# Altium PCB RSD_M1_HELMET_UNIT_MCU_V2.PcbDoc (continued)
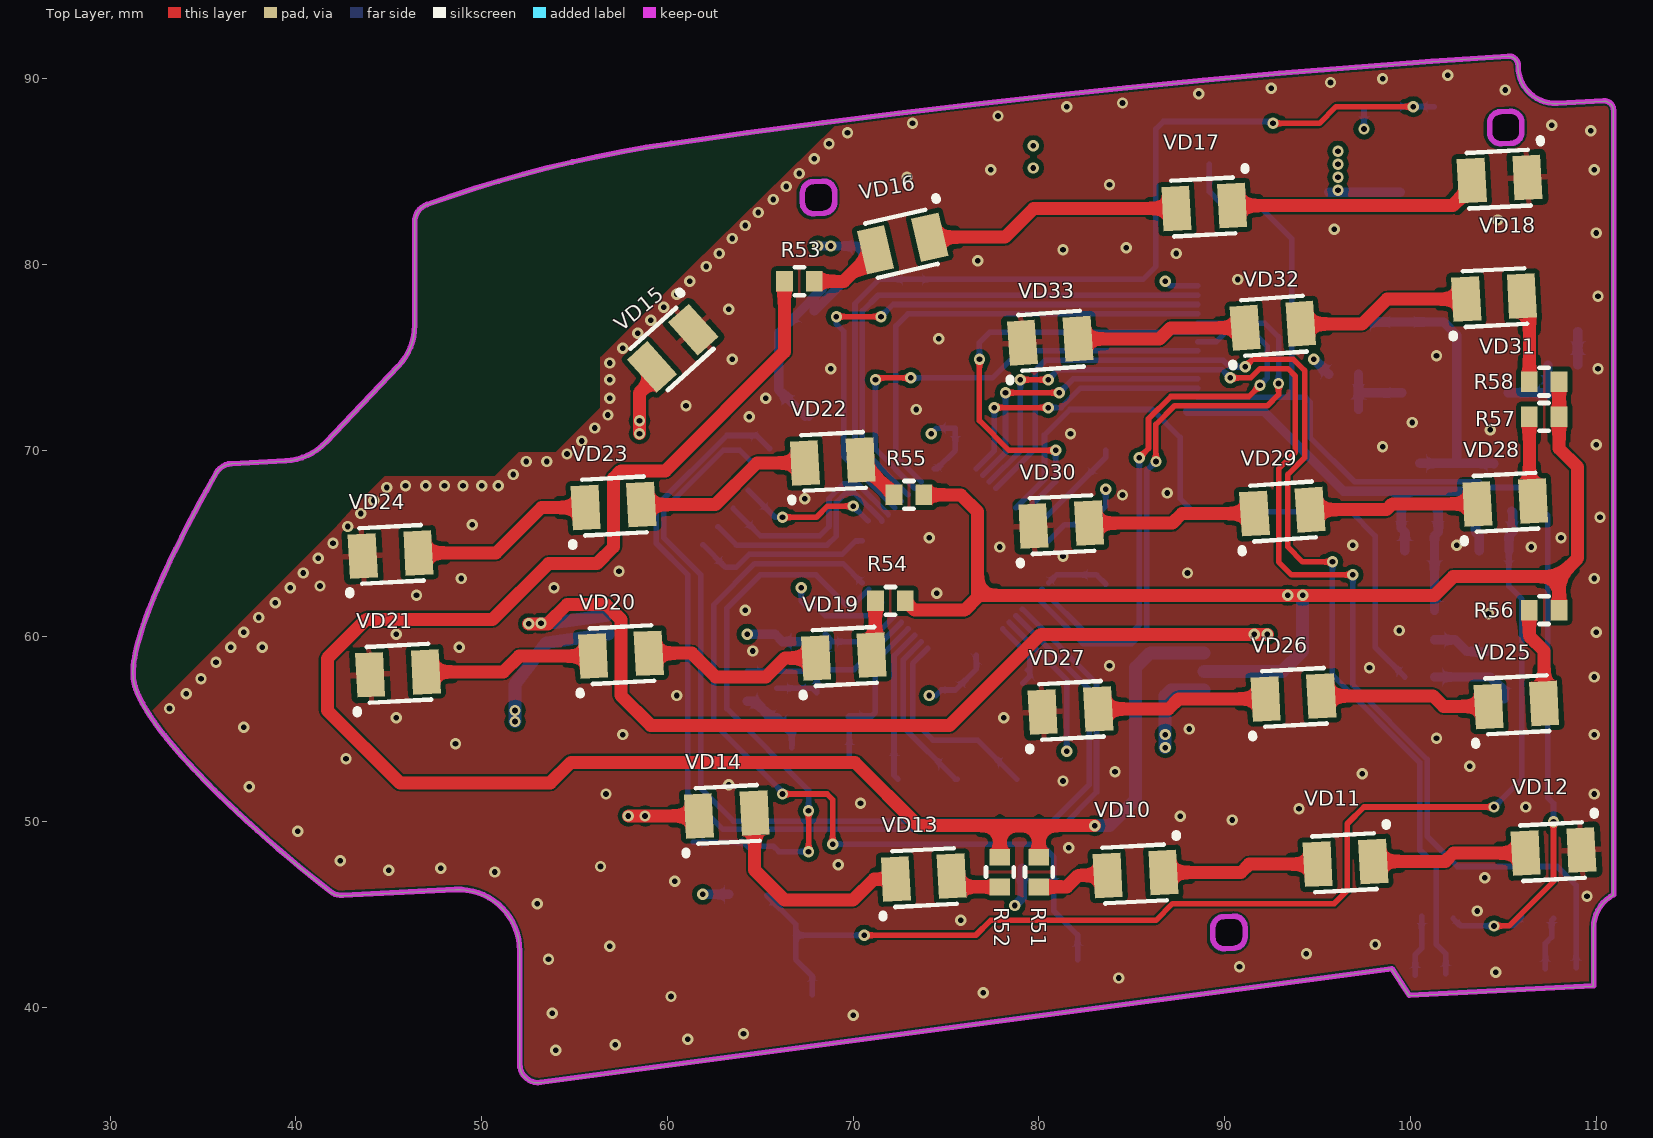
[diagram p0: Top Layer view]
## Footprints (in the part's own frame and the unit in brackets; to place one, negate y for a bottom-side part, rotate by r counter-clockwise, add the part's x,y. Pads: shape width x height; smd on the part's side, far side on the other; paste and mask are expansions set on the pad) (continued)
  silkscreen extent -4.47,-3.1 3.1,3.62, body extent -4.5,-4.5 4.5,4.5, height 1.6
tact_switch [mm]
  rect 1.5x1 smd: 0(-3.375,-0.5) 0(3.375,-0.5)
  rect 1x1.27 smd: 1(-2.125,1.5) 2(2.125,1.5)
  silkscreen extent -4.38,-1.25 4.38,2.5, body extent -3.9,-1.75 3.9,1.76, height 3.55
tantal_case_A [mm]
  rect 1.7x1.3 smd: 1(-1.524,0) 2(1.524,0)
  silkscreen extent -1.52,-0.89 1.52,0.89, body extent -1.6,-0.8 1.6,0.8, height 1.8
tantal_case_B [mm]
  rect 2x2.5 smd: 1(-1.75,0) 2(1.75,0)
  silkscreen extent -1.78,-1.52 1.78,1.52, body extent -1.75,-1.4 1.75,1.4, height 2.1

## Part data
C1 C8 C10: library part Capacitor_Polar
L1: PN=LQH3NPN220MMEL
X1: 1=цепь_1, 2=цепь_2, 3=цепь_3, 4=цепь_4, 5=цепь_5, 6=цепь_6, 7=цепь_7, 8=цепь_8, 9=цепь_9, 10=цепь_10, 11=цепь_11, 12=цепь_12, 13=цепь_13, 14=цепь_14, 15=цепь_15, 16=цепь_16
X8: 1="цепь 1", 2="цепь 2", 3="цепь 3", 4="цепь 4", 5="цепь 5"
X9: 1=GND, 2=ГАБАРИТ, 3=ПРАВЫЙ, 4=GND

## Free pads (board coordinates)
  rrect50% 2x2.5 smd far side: 2(72.4,52.3) 2(75.6,52.3) 2(78.8,52.3) 2(79.3,81.5) 2(79.7,85.9) 2(83.6,62.8) 2(83.6,70)

## Via types
v1: diameter 0.61, hole 0.305, Top Layer to Bottom Layer, tented both sides, 236 vias
v2: diameter 0.61, hole 0.305, Top Layer to Bottom Layer, 2 vias

## Nets (pads, with @x,y where several pads share a name; then routed paths per layer and width w, separated by ;. In a path a pad name is that pad's centre, name@x,y a point inside that pad or via, vN(x,y) a via of type N, cw(c..) or ccw(c..) an arc to the next point about the centre after c; other vN are vias at no path point)
3.3V: C1.1 C4.2 C5.2 C6.2 C7.2 C10.1 C25.2 DD1.9 DD1.24 DD1.36 DD1.48 L1.2 NRF1.1 pad.2@79.7,85.9 R1.2 R4.1 R8.2 R10.1 VD1.2 VT1.2 | length 48
  Bottom Layer w0.3: v1(67.2,62.6) 67.2,61.9 67.5,61.6 68,61.6 68.5,61.1 70.832,61.1 DD1.9 ; NRF1.1@67.623,71.733 NRF1.1@67.8,71.909 ; C1.1 C1.1@67.741,78.141 ; v1(74.1,56.8) 74.452,56.8 74.752,57.1 C4.2 76.631,58.231 DD1.48 ; v1(74.2,70.9) 74.5,71.2 C7.2 75.5,70 74.52,69.02 DD1.24 ; DD1.36 81.389,66 C5.2 83.6,67 v1(83.6,67.9) ; v1(97.5,87.3) R8.2@97.5,88.5
  Bottom Layer w0.5: v1(61.9,46.1) VT1.2@63.3,46.1 ; v1(64.3,60.1) 65.8,60.1 66.2,59.7 R1.2 ; NRF1.1 66,73.256 66,76.335 C1.1 ; C1.1@67.741,78.141 C1.1@67.9,78.3 ; v1(68.1,81) v1(68.8,81) 70.2,81 70.4,80.8 C25.2 ; C25.2@70.5,80.6 70.5,80.1 67.9,77.5 C1.1@67.9,78.235 ; v1(78.7,45.5) 79.1,45.9 R4.1 ; v1(94.8,74.9) R10.1 ; 95.6,83.9 C10.1 ; C1.1@67.9,78.235 C1.1@67.9,78.3 ; C1.1@67.9,78.235 68.333,78.667 68.3,78.7 C1.1@67.9,78.3
  other v1: 96.1,84 96.1,84.7 96.1,85.4 96.1,86.1
  other v2: 79.7,85.2 79.7,86.4
12V: 
BAT: R5.2 R7.2 VT2.2 VT3.2 X1.15 X1.16 | length 23.8
  Bottom Layer w0.5: 88,72.1 92.1,72.1 96.4,67.8 99.55,67.8 ; R7.2 99.7,65.6 99.5,65.8 99.5,66.7 VT3.2 99.55,67.8 ; R5.2 103.7,65.4 103.5,65.6 103.5,67.6 103.3,67.8 99.55,67.8
BAT-CHECK: DD1.20 X1.3 | length 29.3
  Bottom Layer w0.3: DD1.20 70.5,70.061 70.5,77.5 71.35,78.35 X1.3
BAT-LVL: DD1.18 X1.4 | length 31.3
  Top Layer w0.3: v1(69.1,77.2) v1(71.5,77.2)
  Bottom Layer w0.3: v1(69.1,77.2) 69.1,76.8 69.5,76.4 69.5,69.646 DD1.18 ; v1(71.5,77.2) 72.15,77.85 X1.4
BAT_CHECK: 
BAT_LVL: 
CE: DD1.41 NRF1.3 | length 59.3
  Bottom Layer w0.3: NRF1.3@65.5,70.1 64.8,70.8 63.2,70.8 59.4,67 59.4,65 61.1,63.3 61.1,51.5 63,49.6 81.1,49.6 83.1,51.6 83.1,57.461 DD1.41
CONECT_BTN_PIN: DD1.12 R4.2 SW2.2 | length 44.5
  Top Layer w0.3: v1(66.2,51.5) 68.6,51.5 68.9,51.2 v1(68.9,48.8)
  Bottom Layer w0.3: v1(66.2,51.5) 66.2,51.6 62.5,55.3 62.5,61.7 64.7,63.9 69.448,63.9 DD1.12 ; v1(68.9,48.8) 80.1,48.8 80.8,48.1 80.8,45.2 82.087,43.913 SW2.2 SW2.2@82.087,42.59
CSN: DD1.42 NRF1.4 | length 55.4
  Bottom Layer w0.3: NRF1.4@64.6,69.3 63.9,70 63,70 59.8,66.8 59.8,65.3 61.8,63.3 61.8,51.8 63.555,50.045 80.745,50.045 82.7,52 82.7,57.154 DD1.42
EN-12V: DD1.32 X1.7 | length 25.2
  Top Layer w0.3: v1(76.8,74.9) 76.8,71.6 78.4,70 v1(80.9,70)
  Bottom Layer w0.3: v1(76.8,74.9) 76.8,75.8 77.35,76.35 X1.7 ; DD1.32 80.88,68.32 80.9,68.3 v1(80.9,70)
EN_3.3V_MCU: DD1.31 R9.2 | length 36
  Bottom Layer w0.3: DD1.31 80.3,68.446 80.3,70.834 81.666,72.2 86.1,72.2 87.6,70.7 87.6,67.4 88.3,66.7 96.8,66.7 98.1,65.4 98.1,59.4 R9.2
EN_12V: 
GABARIT: R51.2 R52.2 R53.2 X8.3 | length 102.3
  Top Layer w0.7: R53.2 66.3,75.3 59.9,68.9 57.5,68.9 57.1,68.5 57.1,64.8 56.2,63.9 53.6,63.9 50.6,60.9 43.8,60.9 41.7,58.8 41.7,56 45.6,52.1 53.7,52.1 54.8,53.2 70.1,53.2 73.5,49.8 77.9,49.8 ; R52.2 77.9,49.8 ; R51.2 80,49.8 ; v1(83,49.8) 80,49.8 ; 77.9,49.8 80,49.8
  Bottom Layer w0.7: v1(83,49.8) 83.8,49.8 85.2,51.2 85.2,58.3 86,59.1 X8.3
GABARIT-MCU: DD1.39 X1.6 | length 33.6
  Top Layer w0.3: v1(86.3,69.4) 86.3,71.4 87.3,72.4 92.3,72.4 92.9,73 v1(92.9,73.6)
  Bottom Layer w0.3: DD1.39 82.375,59.6 85,59.6 85.8,60.4 85.8,68.9 v1(86.3,69.4) ; X1.6 92.15,76.85 92.9,76.1 v1(92.9,73.6)
GABARIT_2: X8.5 X9.2 | length 54.4
  PWR w0.7: v1(51.8,56) v1(51.8,55.4) 51.8,54.3 52.5,53.6 78.5,53.6 81,51.1 86,51.1 86.8,51.9 v1(86.8,54) v1(86.8,54.7)
  Bottom Layer w0.7: v1@51.788,55.412 51.788,57.384 53.482,59.643 X9.2 ; v1(86.8,54) v1(86.8,54.7) 86.8,56.8 87.1,57.1 X8.5
GABARIT_2_MCU: DD1.43 X1.2 | length 38.6
  PWR w0.3: v1(81.5,53.8) 82.7,55 82.7,76.7 85.1,79.1 v1(86.8,79.1)
  Bottom Layer w0.3: DD1.43 81.5,57.646 v1(81.5,53.8) ; v1(86.8,79.1) 87.05,78.85 X1.2
GABARIT_2_MCU: 
GABARIT_MCU: 
GND: C1.2 C2.1 C3.1 C4.1 C5.1 C6.1 C7.1 C8.2 C10.2 C11.1 C12.1 C25.1 C26.1 DA1.3 DA1.7 DD1.8 DD1.23 DD1.35 DD1.47 NRF1.2 pad.2@79.3,81.5 R2.2 R3.2 R11.2 R12.2 SW1.0 SW1.1 SW2.0 SW2.1 VD2.2 VD12.1 VD15.1 VD18.1 VD21.1 VD24.1 VD27.1 VD30.1 VD33.1 VT4.2 VT5.2 X1.0 X1.1 X8.0 X8.1 X9.0 X9.1 X9.4 | length 3.9
  Bottom Layer w0.3: 66.7,54 66.7,54.8
  Bottom Layer w0.5: C26.1 64.7,56.5 65.6,55.6 C3.1 66.7,54.8
  other v1: 54,37.7 57.2,38 61.1,38.3 64.1,38.6 70,39.6 53.8,39.7 60.2,40.6 77,40.8 84.3,41.6 104.6,41.9 90.8,42.2 53.6,42.6 94.4,42.9 56.9,43.3 98.1,43.4 75.8,44.7 103.6,45.2 53,45.6 109.5,46 60.4,46.8 104,47 50.7,47.3 45,47.4 47.8,47.5 56.4,47.6 69.2,47.7 42.4,47.9 81.6,48.6 40.1,49.5 90.4,50.1 87.6,50.3 94,50.7 106.2,50.8 70.4,51 56.7,51.5 109.9,51.5 37.5,51.9 63.3,52 81.3,52.2 97.4,52.6 84.1,52.7 103.2,53 42.7,53.4 48.6,54.2 101.4,54.5 57.6,54.7 109.9,54.7 88.1,55 37.2,55.1 45.4,55.6 78.1,55.6 33.2,56.1 60.5,56.8 34.1,56.9 34.9,57.7 109.9,57.8 97.8,58.3 83.8,58.4 35.7,58.6 64.6,59.2 36.5,59.4 38.2,59.4 48.8,59.4 45.4,60.1 37.2,60.2 110,60.2 99.4,60.3 38,61 104.2,61.2 64.2,61.4 38.9,61.8 46.5,62.2 74.5,62.3 39.7,62.6 53.9,62.6 41.3,62.7 48.9,63.1 109.9,63.1 40.4,63.4 88,63.4 57.4,63.5 41.2,64.2 81.3,64.3 77.9,64.8 106.5,64.8 96.9,64.9 102.5,64.9 42,65 74.1,65.3 108.1,65.3 42.8,65.9 49.5,66 110.2,66.4 43.5,66.6 44.2,67.3 67.4,67.4 84.5,67.6 86.9,67.7 44.9,68 45.9,68.1 47,68.1 48,68.1 49,68.1 50,68.1 50.9,68.1 51.7,68.7 52.4,69.4 53.5,69.4 54.6,69.8 98.5,70.2 110,70.3 55.4,70.5 81.7,70.9 104.3,71.1 56.1,71.2 100.1,71.5 64.4,71.8 56.8,71.9 73.4,72.2 61,72.4 56.9,72.8 65.3,72.8 56.9,73.8 68.8,74.4 110.1,74.4 56.9,74.7 63.5,74.9 101.4,75.1 57.6,75.5 74.6,76 58.4,76.3 59.1,77 63.3,77.6 59.8,77.7 110.1,78.3 60.5,78.4 61.2,79.1 90.7,79.2 62.1,79.9 76.7,80.2 62.8,80.6 87.4,80.6 81.3,80.8 84.7,80.9 63.5,81.4 110,81.7 95.9,81.9 64.2,82.1 104.7,82.4 64.9,82.8 65.7,83.5 66.4,84.2 83.8,84.3 72.9,84.7 67.1,84.9 77.4,85.1 109.9,85.1 67.9,85.7 68.7,86.5 69.7,87.1 109.7,87.2 107.6,87.5 73.2,87.6 77.8,88 81.5,88.5 84.5,88.7 88.6,89.2 105.1,89.4 92.5,89.5 95.7,89.8 98.5,90 102,90.2
IRQ: DD1.13 NRF1.8 | length 9.7
  Bottom Layer w0.3: NRF1.8@61.909,64.922 63.131,63.7 63.7,63.7 64.4,64.4 69.4,64.4 70.131,65.131 DD1.13
LED1: 
LED2: 
LED3: 
LED4: 
LED_1: DD1.28 VD5.1 X1.10 | length 59.8
  Top Layer w0.3: v1(91.1,74.5) 91.5,74.9 93.7,74.9 94.3,74.3 94.3,69.6 93.4,68.7 93.4,64.8 94.2,64 v1(95.8,64)
  Bottom Layer w0.3: DD1.28 79.8,70.068 79.8,74.3 80.35,74.85 X1.10 89.916,74.85 90.266,74.5 v1(91.1,74.5) ; v1(95.8,64) 95.8,57.9 100.5,53.2 100.5,48.5 101.4,47.6 101.4,43.4 101.907,42.893 VD5.1
LED_2: DD1.27 VD6.1 X1.11 | length 65.7
  Top Layer w0.3: v1(79,73.8) v1(80.5,73.8) ; v1(90.3,73.9) 91.4,73.9 91.9,74.4 93.4,74.4 93.8,74 93.8,69.9 92.9,69 92.9,64 93.6,63.3 v1(96.9,63.3)
  Bottom Layer w0.3: DD1.27 79,69.975 v1(79,73.8) ; v1(80.5,73.8) 81.05,74.35 X1.11 89.85,74.35 v1(90.3,73.9) ; v1(96.9,63.3) 96.9,57.366 100.9,53.366 100.9,49.226 102.526,47.6 107.9,47.6 108.914,46.586 VD6.1
LED_3: DD1.26 X1.12 | length 15.6
  Top Layer w0.3: v1(78.2,73.1) v1@81.1,73.1
  Bottom Layer w0.3: DD1.26 78.2,69.882 v1(78.2,73.1) ; v1(81.1,73.1) 81.85,73.85 X1.12
LED_4: DD1.25 X1.13 | length 15.1
  Top Layer w0.3: v1(77.6,72.3) v1(80.5,72.3)
  Bottom Layer w0.3: DD1.25 77.6,69.989 v1(77.6,72.3) ; v1(80.5,72.3) 81.2,72.3 82.25,73.35 X1.13
LED_POWER: R26.2 R27.2 VD1.1 X1.14 | length 66.2
  Top Layer w0.3: v1(104.5,44.4) 105.3,44.4 107.7,46.8 v1(107.7,50)
  Bottom Layer w0.3: X1.14 93.6,72.85 ; VD1.1 89.175,83.925 89.7,83.4 91.6,83.4 93.6,81.4 93.6,72.85 ; R26.2@102.3,44.8 102.7,44.4 v1(104.5,44.4) 105.5,44.4 R27.2@106,44.9 ; v1(107.7,50) 107.7,51 107.4,51.3 107.4,66.5 105.9,68 104,68 103.7,68.3 97,68.3 94.6,70.7 94.6,72.6 94.35,72.85 93.6,72.85
LEFT: 
LEFT-MCU: DD1.21 X1.9 | length 24.7
  Top Layer w0.3: v1(71.2,73.8) 71.3,73.9 v1(73.1,73.9)
  Bottom Layer w0.3: v1(71.2,73.8) 71.2,70.068 DD1.21 ; v1(73.1,73.9) 77.5,73.9 78.95,75.35 X1.9
LEFT_MCU: 
MID_BAT: 
MISO: DD1.16 NRF1.7 | length 12.1
  Bottom Layer w0.3: NRF1.7@62.725,65.895 63.721,64.9 68.6,64.9 69.1,65.4 69.1,67.2 69.6,67.7 70.085,67.7 71.54,66.244 DD1.16
MOSI: DD1.17 NRF1.6 | length 11.7
  Bottom Layer w0.3: NRF1.6@63.542,66.868 65.01,65.4 68.2,65.4 68.7,65.9 68.7,67.4 69.5,68.2 70.239,68.2 DD1.17
NetC2_2: C2.2 DD1.5 ZQ1.2 | length 8.8
  Bottom Layer w0.3: C2.2 69.8,55.6 ZQ1.2 69.8,55.7 71,55.7 71.2,55.9 71.2,58.639 DD1.5
NetC3_2: C3.2 DD1.6 ZQ1.1 | length 9
  Bottom Layer w0.3: C3.2 67.8,57.2 ZQ1.1 68.05,57.95 68.3,58.2 70.054,58.2 DD1.6
NetC8_1: C8.1 DA1.8 VT2.3 VT3.3 | length 16.5
  Bottom Layer w0.5: C8.1 97.205,76.905 DA1.8 101.795,76.905 102.5,76.2 102.5,69.4 102.4,69.3 ; VT3.3 102.4,69.3 ; VT2.3 104.475,69.3 102.4,69.3
NetC9_1: C9.1 R11.1 | length 1.8
  Bottom Layer w0.5: C9.1 R11.1
NetC9_2: C9.2 C12.2 DA1.4 | length 3.8
  Bottom Layer w0.5: DA1.4 107.305,73.095 C12.2 C9.2
NetC13_1: 
NetC13_2: 
NetC18_2: 
NetC19_2: 
NetC20_2: 
NetC22_1: 
NetC22_2: 
NetC23_1: 
NetC24_2: 
NetC26_2: C26.2 DD1.7 R1.1 | length 9.7
  Bottom Layer w0.3: C26.2 67.4,58.1 68.7,59.4 R1.1 ; R1.1@68.5,60.1 68.9,59.7 70.846,59.7 DD1.7
NetDA1_1: DA1.1 L1.1 VD2.1
NetDA1_5: DA1.5 R10.2 R12.1 | length 4.3
  Bottom Layer w0.5: R12.1 97.2,73.2 ; R10.2 97.2,73.2 ; DA1.5 97.305,73.095 97.2,73.2
NetDA2_2: 
NetDA2_12: 
NetDA2_18: 
NetDA2_19: 
NetDA2_20: 
NetDA2_21: 
NetDA2_23: 
NetDA2_24: 
NetDA3_2: 
NetDA3_3: 
NetDA3_6: 
NetDD1_44: DD1.44 R2.1 | length 3.7
  Bottom Layer w0.3: DD1.44 79.5,58.939 79.5,57.831 R2.1
NetR6_1: R6.1 VT4.3 | length 3.1
  Bottom Layer w0.5: R6.1 102.4,59.8 103.025,59.175 VT4.3
NetR6_2: R6.2 R7.1 VT3.1 | length 5.5
  Bottom Layer w0.5: R6.2 R7.1 101.3,65.4 101.5,65.6 101.5,66.7 VT3.1
NetR9_1: R9.1 VT4.1 | length 4.5
  Bottom Layer w0.5: R9.1 104.3,57.8 105.05,57.05 VT4.1
NetR13_1: 
NetR13_2: 
NetR15_1: 
NetR17_1: 
NetR23_1: 
NetR23_2: 
NetR26_1: R26.1 VD5.2 | length 3.3
  Bottom Layer w0.3: VD5.2 100.259,42.859 100.6,43.2 R26.1@100.6,44.925
NetR27_1: R27.1 VD6.2 | length 2.9
  Bottom Layer w0.3: VD6.2 107.265,43.465 107.6,43.8 107.6,44.7 R27.1@107.7,44.8
NetR28_1: 
NetR29_1: 
NetR30_1: 
NetR33_1: 
NetR33_2: 
NetR35_1: 
NetR36_1: 
NetR36_2: 
NetR38_1: 
NetR39_1: 
NetR40_1: 
NetR41_1: 
NetR44_1: 
NetR44_2: 
NetR46_2: 
NetR47_1: 
NetR51_1: R51.1 VD10.2 | length 4
  Top Layer w0.7: R51.1 81.5,46.5 82.121,47.121 VD10.2
NetR52_1: R52.1 VD13.2 | length 2.8
  Top Layer w0.7: VD13.2 75.876,46.5 R52.1
NetR53_1: R53.1 VD16.2 | length 4
  Top Layer w0.7: R53.1 69.5,79.1 VD16.2
NetR54_1: R54.1 VD19.2 | length 2.2
  Top Layer w0.3: VD19.2@70.998,59.8 VD19.2@71.2,60.002
  Top Layer w0.7: VD19.2@71.2,60.002 R54.1
NetR55_1: R55.1 VD22.2 | length 2.7
  Top Layer w0.3: VD22.2@70.398,69.402 VD22.2
  Top Layer w0.7: VD22.2@70.398,69.402 R55.1 ; VD22.2 VD22.2@70.476,69.4
NetR56_1: R56.1 VD25.2 | length 5.4
  Top Layer w0.7: R56.1 106.4,60 107.198,59.202 VD25.2
NetR57_1: R57.1 VD28.2 | length 4.6
  Top Layer w0.7: R57.1 106.4,67.476 VD28.2
NetR58_1: R58.1 VD31.2 | length 4.8
  Top Layer w0.7: VD31.2 106.4,77.9 R58.1
NetR59_1: 
NetR60_1: 
NetR61_1: 
NetR62_1: 
NetR63_1: 
NetR64_1: 
NetR65_1: 
NetR66_1: 
NetR67_1: 
NetR67_2: 
NetR69_1: 
NetVD10_1: VD10.1 VD11.2 | length 8.5
  Top Layer w0.7: VD10.1 90.879,47.279 91.321,47.721 VD11.2
NetVD11_1: VD11.1 VD12.2 | length 8.4
  Top Layer w0.7: VD11.1 101.879,47.879 102.321,48.321 VD12.2
NetVD13_1: VD13.1 VD14.2 | length 11.8
  Top Layer w0.7: VD14.2 64.698,47.402 66.3,45.8 70,45.8 71.121,46.921 VD13.1
NetVD14_1: VD14.1 VD15.2 | length 39.6
  Top Layer w0.7: v1(57.9,50.321) v1(58.8,50.321) VD14.1 ; v1(58.5,70.9) v1(58.5,71.6) 58.5,73.1 59.17,73.77 VD15.2
  PWR w0.7: v1(58.5,71.6) v1(58.5,70.9) 58.5,68.7 50.2,60.4 50.2,52.7 52.579,50.321 v1(57.9,50.321) v1(58.8,50.321)
NetVD16_1: VD16.1 VD17.2 | length 13.9
  Top Layer w0.7: VD16.1 78.175,81.475 79.721,83.021 VD17.2
NetVD17_1: VD17.1 VD18.2 | length 13.6
  Top Layer w0.7: VD17.1 102.279,83.179 103.302,84.202 VD18.2
NetVD19_1: VD19.1 VD20.2 | length 10
  Top Layer w0.7: VD20.2 61.321,59.079 62.6,57.8 65.3,57.8 66.321,58.821 VD19.1
NetVD20_1: VD20.1 VD21.2 | length 9.4
  Top Layer w0.7: VD21.2 51.179,58.079 52.021,58.921 VD20.1
NetVD22_1: VD22.1 VD23.2 | length 9.7
  Top Layer w0.7: VD23.2 62.579,67.079 64.821,69.321 VD22.1
NetVD23_1: VD23.1 VD24.2 | length 10
  Top Layer w0.7: VD24.2 50.779,64.479 53.221,66.921 VD23.1
NetVD25_1: VD25.1 VD26.2 | length 9.2
  Top Layer w0.7: VD26.2 101.221,56.779 101.779,56.221 VD25.1
NetVD26_1: VD26.1 VD27.2 | length 9.2
  Top Layer w0.7: VD27.2 86.979,56.079 87.521,56.621 VD26.1
NetVD28_1: VD28.1 VD29.2 | length 9.1
  Top Layer w0.7: VD29.2 98.709,66.809 99.021,67.121 VD28.1
NetVD29_1: VD29.1 VD30.2 | length 9.1
  Top Layer w0.7: VD30.2 87.179,66.079 87.7,66.6 VD29.1
NetVD31_1: VD31.1 VD32.2 | length 9.5
  Top Layer w0.7: VD32.2 97.405,76.805 98.743,78.143 VD31.1
NetVD32_1: VD32.1 VD33.2 | length 9.3
  Top Layer w0.7: VD33.2 86.5,76 87.095,76.595 VD32.1
NetVD34_1: 
NetVD35_1: 
NetVD37_1: 
NetVD38_1: 
NetVD40_1: 
NetVD41_1: 
NetVD43_1: 
NetVD44_1: 
NetVD46_1: 
NetVD47_1: 
NetVD49_1: 
NetVD50_1: 
NetVD52_1: 
NetVD53_1: 
NetVD55_1: 
NetVD56_1: 
ON_BTN: R5.1 SW1.2 VT1.1 VT2.1 | length 65.9
  Top Layer w0.3: v1(70.6,43.9) 76.6,43.9 77.4,44.7 86.3,44.7 87.2,45.6 95.9,45.6 96.6,46.3 96.6,49.9 97.5,50.8 v1(104.5,50.8)
  Bottom Layer w0.3: VT1.1 66.9,44.5 66.9,43.9 ; SW1.2@67.8,40.7 67.8,41.7 66.9,42.6 66.9,43.9 ; v1(70.6,43.9) 66.9,43.9 ; v1(104.5,50.8) 106,52.3 106,62 105.3,62.7 R5.1
  Bottom Layer w0.5: R5.1 105.3,65.4 105.5,65.6 105.5,66.675 VT2.1
ON_BTN_PIN: DD1.11 R3.1 VT1.3 | length 30.8
  Top Layer w0.3: v1(67.6,48.4) v1(67.6,50.6)
  Bottom Layer w0.3: R3.1 64.1,48.9 VT1.3 ; VT1.3@64.4,48.7 65.7,48.7 66,48.4 v1(67.6,48.4) ; v1(67.6,50.6) 67.6,51.7 63.2,56.1 63.2,61.5 65,63.3 68,63.3 69.6,61.7 70.018,61.7 DD1.11
PHOTODIOD: C11.2 DD1.19 R8.1 VT5.1 | length 52.8
  Top Layer w0.3: v1(92.6,87.6) 95.1,87.6 96,88.5 v1(100.145,88.5)
  Bottom Layer w0.3: DD1.19 70.1,69.754 70.1,77.9 71.4,79.2 85.6,79.2 86.3,79.9 86.3,87.3 86.7,87.7 92.5,87.7 v1(92.6,87.6) ; R8.1@99,88.5 v1(100.145,88.5) VT5.1
RGB_LED_BLUE: DD1.4 pad.2@72.4,52.3 | length 8.3
  Bottom Layer w0.3: pad.2@72.4,52.3 72.2,52.5 72.2,58.932 DD1.4
RGB_LED_GREEN: DD1.3 pad.2@75.6,52.3 | length 9
  Bottom Layer w0.3: DD1.3 72.7,58.725 72.7,55.1 75.5,52.3 pad.2@75.6,52.3
RGB_LED_RED: DD1.2 pad.2@78.8,52.3 | length 11.1
  Bottom Layer w0.3: DD1.2 73.2,58.518 73.2,55.5 74.3,54.4 76.7,54.4 pad.2@78.8,52.3
RIGHT: 
RIGHT: X8.2 X9.3 | length 54.9
  Top Layer w0.7: v1(52.535,60.665) 53.565,60.665 54.6,61.7 56.7,61.7 57.5,60.9 57.5,56.8 59.1,55.2 75.2,55.2 80.1,60.1 v1(92.3,60.1)
  Bottom Layer w0.7: v1(52.535,60.665) v1(53.2,60.692) 53.981,60.724 X9.3 ; X8.2 v1(92.3,60.1)
  other v1: 91.6,60.1
RIGHT-MCU: DD1.22 X1.5 | length 25.5
  Bottom Layer w0.3: DD1.22 72.3,69.675 72.3,76.7 72.95,77.35 X1.5
RIGHT_MCU: 
SCK: DD1.15 NRF1.5 | length 7.6
  Top Layer w0.3: v1(66.2,66.4) 68.025,66.4 68.625,67 v1(70,67)
  Bottom Layer w0.3: NRF1.5@64.358,67.841 65.799,66.4 v1(66.2,66.4) ; v1(70,67) DD1.15@70.8,66.2
STOP: R54.2 R55.2 R56.2 R57.2 R58.2 X8.4 | length 66.7
  Top Layer w0.7: R54.2 73.3,61.4 76,61.4 76.75,62.15 76.7,62.2 ; R55.2 75.8,67.6 76.7,66.7 76.7,62.2 ; R56.2 108,63.2 ; R58.2 R57.2 108,70.1 109,69.1 109,64.2 108,63.2 ; 76.7,62.2 v1(93.4,62.2) v1(94.2,62.2) 101.3,62.2 102.3,63.2 108,63.2
  Bottom Layer w0.7: X8.4 93.1,58.1 94.2,59.2 v1(94.2,62.2) v1(93.4,62.2)
STOP-MCU: DD1.38 X1.8 | length 31.2
  Top Layer w0.3: v1(85.4,69.6) 85.9,70.1 85.9,71.7 87.1,72.9 91.3,72.9 v1(91.9,73.5)
  Bottom Layer w0.3: DD1.38 82.682,60 84.8,60 85.4,60.6 v1(85.4,69.6) ; X1.8 89.55,75.85 90.1,76.4 91.5,76.4 92.3,75.6 92.3,73.9 v1(91.9,73.5)
STOP_MCU: 
SWCLK: DD1.37 pad.2@83.6,62.8 | length 3.5
  Bottom Layer w0.3: DD1.37 80.952,63.3 83.1,63.3 pad.2@83.6,62.8
SWDIO: DD1.34 pad.2@83.6,70 | length 5.7
  Bottom Layer w0.3: DD1.34 83.6,69.625 pad.2@83.6,70
USB_POWER: 
pads on no net: DA1.2 DA1.6 DD1.1 DD1.10 DD1.14 DD1.29 DD1.30 DD1.33 DD1.40 DD1.45 DD1.46 ZQ1.3 ZQ1.4

## Polygon pours and split planes (outlines as drawn)
GND on Top Layer "Top Layer, Top-No Net" (solid, pour order 10): 31.907,56.089 31.783,56.307 31.672,56.518 31.575,56.719 31.494,56.91 31.431,57.075 31.381,57.232 31.341,57.382 31.312,57.53 31.297,57.638 31.286,57.748 31.28,57.861 31.278,57.978 31.283,58.16 31.298,58.354 31.323,58.563 31.356,58.772 31.398,58.993 31.448,59.224 31.507,59.463 31.551,59.632 31.6,59.803 31.654,59.988 31.712,60.175 31.834,60.544 31.96,60.901 32.094,61.261 32.236,61.625 32.384,61.99 32.567,62.425 32.757,62.862 32.954,63.301 33.098,63.614 33.245,63.926 33.41,64.273 33.578,64.62 33.904,65.278 34.238,65.933 34.579,66.585 34.884,67.156 35.195,67.723 35.51,68.287 35.754,68.715 cw(c36.621,68.217) 36.57,69.216 39.494,69.367 ccw(c39.329,72.563) 41.645,70.355 45.554,74.456 ccw(c43.238,76.664) 46.438,76.664 46.438,82.221 cw(c47.438,82.221) 47.1,83.162 cw(c69.956,19.559) 60.247,86.443 60.248,86.442 cw(c142.152,-479.591) 105.299,91.149 105.299,91.148 cw(c105.331,90.649) 105.831,90.649 105.831,90.606 ccw(c107.831,90.606) 107.935,88.609 110.443,88.738 cw(c110.469,88.239) 110.969,88.239 110.969,46.005 ccw(c111.895,44.232) 109.895,44.232 109.895,41.101 99.974,40.588 99.04,42.028 53.222,35.901 cw(c53.09,36.892) 52.09,36.892 52.09,42.99 ccw(c48.79,42.99) 48.619,46.286 42.561,45.973 42.561,45.972 cw(c42.51,46.971) 41.889,46.187 41.339,46.622 40.765,47.081 40.197,47.545 39.635,48.014 39.076,48.49 38.522,48.973 37.941,49.489 37.365,50.013 36.794,50.544 36.501,50.821 36.211,51.099 35.94,51.362 35.671,51.627 35.214,52.084 34.766,52.545 34.544,52.778 34.325,53.013 34.111,53.245 33.9,53.479 33.573,53.85 33.413,54.037 33.256,54.224 33.102,54.412 32.951,54.599 32.804,54.787 32.662,54.974 32.44,55.276 32.334,55.427 32.232,55.576 32.136,55.721 32.045,55.864
3.3V on Top Layer "Top Layer, Top-No Net" (none, pour order 6): 164.796,76.421 ccw(c164.865,76.493) 164.796,76.42 ccw(c164.867,76.491) 164.796,76.42 ccw(c164.866,76.492) 164.797,76.419 cw(c164.865,76.493) 164.796,76.42 cw(c164.867,76.491)
3.3V on Top Layer "Top Layer, Top-No Net" (none, pour order 4): 164.796,76.421 ccw(c164.865,76.493) 164.796,76.42 ccw(c164.867,76.491) 164.796,76.42 ccw(c164.866,76.492) 164.797,76.419 cw(c164.865,76.493) 164.796,76.42 cw(c164.867,76.491)
3.3V on Keep-Out Layer "Top Layer, Top-No Net" (none): 164.796,76.421 ccw(c164.865,76.493) 164.796,76.42 ccw(c164.867,76.491) 164.796,76.42 ccw(c164.866,76.492) 164.797,76.419 cw(c164.865,76.493) 164.796,76.42 cw(c164.867,76.491)
3.3V on Bottom Layer "Top Layer, Top-No Net" (solid, pour order 14): 100.6,79 100.6,85.7 99.8,86.5 91.5,86.5 91.2,86.2 91.2,84.5 92.1,83.6 97.3,83.6 98.6,82.3 98.6,79.4 99,79
NetDA1_1 on Bottom Layer "Top Layer, Top-No Net" (solid, pour order 12): 106.137,76.9 107.8,78.8 107.8,81.2 107.3,81.7 102.2,81.7 101.9,81.4 101.9,78.8 103.2,77.5 103.8,77.5 104.4,76.9
GND on Bottom Layer "Top Layer, Top-No Net" (solid, pour order 8): 31.818,56.128 31.694,56.346 31.583,56.556 31.486,56.757 31.405,56.948 31.342,57.114 31.292,57.271 31.252,57.421 31.223,57.569 31.208,57.677 31.197,57.787 31.191,57.9 31.189,58.017 31.194,58.198 31.209,58.393 31.234,58.602 31.267,58.811 31.309,59.032 31.359,59.263 31.418,59.502 31.462,59.67 31.511,59.842 31.565,60.026 31.623,60.213 31.745,60.583 31.871,60.939 32.005,61.3 32.147,61.663 32.295,62.029 32.478,62.464 32.668,62.901 32.865,63.34 33.009,63.652 33.156,63.965 33.321,64.312 33.489,64.659 33.815,65.317 34.149,65.972 34.49,66.624 34.795,67.195 35.106,67.762 35.421,68.326 35.665,68.754 cw(c36.532,68.256) 36.481,69.255 39.405,69.406 ccw(c39.24,72.602) 41.556,70.394 45.465,74.495 ccw(c43.149,76.703) 46.349,76.703 46.349,82.26 cw(c47.349,82.26) 47.011,83.201 47.011,83.2 cw(c69.867,19.598) 60.158,86.482 60.158,86.481 cw(c142.063,-479.553) 105.21,91.187 cw(c105.242,90.688) 105.742,90.688 105.742,90.645 ccw(c107.742,90.645) 107.846,88.647 110.354,88.777 cw(c110.38,88.278) 110.88,88.278 110.88,46.043 ccw(c111.806,44.271) 109.806,44.271 109.806,41.14 99.885,40.627 98.951,42.067 53.133,35.94 cw(c53.001,36.931) 52.001,36.931 52.001,43.029 ccw(c48.701,43.029) 48.53,46.324 42.472,46.011 cw(c42.42,47.01) 41.8,46.226 41.25,46.66 40.676,47.12 40.108,47.584 39.546,48.053 38.987,48.529 38.433,49.012 37.852,49.528 37.276,50.052 36.705,50.583 36.412,50.86 36.122,51.138 35.851,51.401 35.582,51.665 35.125,52.123 34.677,52.584 34.455,52.817 34.236,53.051 34.022,53.284 33.811,53.517 33.484,53.889 33.324,54.076 33.167,54.263 33.013,54.45 32.862,54.638 32.715,54.826 32.573,55.013 32.351,55.315 32.245,55.465 32.143,55.614 32.047,55.759 31.956,55.902
GND on GND "Top Layer, Top-No Net" (solid, pour order 18): 31.911,56.1 31.787,56.319 31.676,56.529 31.579,56.73 31.498,56.921 31.435,57.086 31.385,57.243 31.345,57.394 31.316,57.541 31.301,57.649 31.29,57.759 31.284,57.872 31.282,57.989 31.287,58.171 31.302,58.365 31.327,58.574 31.36,58.784 31.402,59.004 31.452,59.235 31.511,59.474 31.555,59.643 31.604,59.814 31.658,59.999 31.716,60.186 31.838,60.555 31.964,60.912 32.098,61.272 32.24,61.636 32.388,62.001 32.571,62.436 32.761,62.874 32.958,63.312 33.102,63.625 33.249,63.938 33.414,64.284 33.582,64.631 33.908,65.289 34.242,65.945 34.583,66.596 34.888,67.167 35.199,67.734 35.514,68.298 35.758,68.726 cw(c36.625,68.228) 36.574,69.227 39.498,69.378 ccw(c39.333,72.574) 41.649,70.366 45.558,74.468 ccw(c43.242,76.675) 46.442,76.675 46.442,82.232 cw(c47.442,82.232) 47.104,83.173 cw(c69.96,19.57) 60.251,86.454 60.251,86.453 cw(c142.156,-479.58) 105.303,91.16 105.303,91.159 cw(c105.335,90.66) 105.835,90.66 105.835,90.617 ccw(c107.835,90.617) 107.939,88.62 110.447,88.75 cw(c110.473,88.25) 110.973,88.25 110.973,46.016 ccw(c111.899,44.243) 109.899,44.243 109.899,41.112 99.978,40.599 99.044,42.039 53.226,35.912 cw(c53.094,36.903) 52.094,36.903 52.094,43.001 ccw(c48.793,43.001) 48.623,46.297 42.565,45.984 cw(c42.513,46.982) 41.893,46.198 41.343,46.633 40.769,47.092 40.201,47.556 39.639,48.025 39.08,48.501 38.526,48.984 37.945,49.5 37.369,50.024 36.797,50.556 36.505,50.832 36.215,51.111 35.944,51.373 35.675,51.638 35.218,52.095 34.77,52.556 34.548,52.789 34.329,53.024 34.115,53.256 33.904,53.49 33.577,53.862 33.417,54.048 33.26,54.235 33.106,54.423 32.955,54.611 32.808,54.798 32.666,54.985 32.444,55.287 32.338,55.438 32.236,55.587 32.14,55.732 32.049,55.875
3.3V on PWR "Top Layer, Top-No Net" (solid, pour order 16): 31.816,56.149 31.691,56.367 31.581,56.577 31.484,56.779 31.402,56.969 31.34,57.135 31.29,57.292 31.25,57.442 31.221,57.59 31.205,57.698 31.195,57.808 31.188,57.921 31.187,58.038 31.192,58.219 31.207,58.414 31.232,58.623 31.265,58.832 31.307,59.053 31.357,59.284 31.416,59.523 31.46,59.691 31.508,59.863 31.563,60.047 31.621,60.234 31.743,60.604 31.869,60.96 32.003,61.321 32.144,61.684 32.293,62.05 32.476,62.485 32.666,62.922 32.863,63.361 33.007,63.673 33.153,63.986 33.319,64.333 33.487,64.68 33.813,65.338 34.147,65.993 34.487,66.645 34.793,67.216 35.104,67.783 35.419,68.347 35.663,68.775 cw(c36.53,68.277) 36.479,69.276 39.403,69.427 ccw(c39.237,72.623) 41.554,70.415 45.463,74.516 ccw(c43.147,76.724) 46.347,76.724 46.347,82.281 cw(c47.347,82.281) 47.009,83.222 cw(c69.865,19.619) 60.156,86.503 60.156,86.502 cw(c142.061,-479.532) 105.208,91.208 cw(c105.24,90.709) 105.74,90.709 105.74,90.666 ccw(c107.74,90.666) 107.843,88.668 110.352,88.798 cw(c110.378,88.299) 110.878,88.299 110.878,46.064 ccw(c111.804,44.292) 109.804,44.292 109.804,41.161 99.883,40.648 98.949,42.088 53.131,35.961 cw(c52.998,36.952) 51.998,36.952 51.998,43.05 ccw(c48.698,43.05) 48.528,46.345 42.47,46.032 cw(c42.418,47.031) 41.798,46.247 41.248,46.681 40.673,47.141 40.106,47.605 39.543,48.074 38.985,48.55 38.431,49.033 37.85,49.549 37.274,50.073 36.702,50.604 36.41,50.881 36.119,51.159 35.848,51.422 35.579,51.686 35.123,52.144 34.674,52.605 34.453,52.838 34.233,53.072 34.02,53.305 33.809,53.538 33.482,53.91 33.322,54.097 33.165,54.284 33.011,54.471 32.86,54.659 32.713,54.847 32.57,55.034 32.349,55.336 32.243,55.486 32.141,55.635 32.045,55.78 31.953,55.923

## Keep-outs
Keep-Out Layer:
  lines w0.3: 105.262,91.222 ccw(c142.115,-479.518) 60.21,86.516 ccw(c69.919,19.633) 47.063,83.235 ccw(c47.401,82.295) 46.401,82.295 46.401,76.738 cw(c43.201,76.738) 45.517,74.53 41.608,70.429 cw(c39.292,72.636) 39.457,69.441 36.533,69.29 ccw(c36.584,68.291) 35.717,68.789 35.473,68.361 35.158,67.797 34.847,67.229 34.542,66.658 34.201,66.007 33.867,65.352 33.541,64.694 33.373,64.347 33.208,64 33.061,63.687 32.917,63.375 32.72,62.936 32.53,62.499 32.347,62.064 32.199,61.698 32.057,61.335 31.923,60.974 31.797,60.618 31.675,60.248 31.617,60.061 31.563,59.877 31.514,59.705 31.47,59.537 31.411,59.298 31.361,59.067 31.319,58.846 31.286,58.637 31.261,58.428 31.246,58.233 31.241,58.052 31.243,57.934 31.249,57.821 31.26,57.712 31.275,57.604 31.304,57.456 31.344,57.305 31.394,57.149 31.457,56.983 31.538,56.792 31.635,56.591 31.746,56.381 31.87,56.163 32.008,55.937 32.099,55.794 32.195,55.649 32.297,55.5 32.403,55.35 32.625,55.048 32.767,54.861 32.914,54.673 33.065,54.485 33.219,54.298 33.376,54.111 33.536,53.924 33.863,53.552 34.074,53.319 34.288,53.086 34.507,52.852 34.729,52.619 35.177,52.158 35.634,51.7 35.903,51.436 36.174,51.173 36.464,50.895 36.757,50.618 37.328,50.087 37.904,49.563 38.485,49.047 39.039,48.564 39.598,48.088 40.16,47.619 40.728,47.155 41.302,46.695 41.852,46.26 ccw(c42.472,47.045) 42.524,46.046 48.582,46.359 cw(c48.753,43.064) 52.053,43.064 52.053,36.966 ccw(c53.053,36.966) 53.185,35.975 99.003,42.102 99.937,40.662 109.858,41.175 109.858,44.306 cw(c111.858,44.306) 110.932,46.078 110.932,88.313 ccw(c110.432,88.313) 110.406,88.812 107.898,88.682 cw(c107.794,90.68) 105.794,90.68 105.794,90.723 ccw(c105.294,90.723) 105.262,91.222 ; 67.272,83.338 ccw(c67.872,83.338) 67.902,82.739 68.436,82.766 ccw(c68.405,83.365) 69.005,83.365 69.005,83.894 ccw(c68.405,83.894) 68.374,84.494 67.841,84.466 ccw(c67.872,83.867) 67.272,83.867 67.272,83.338 ; 89.364,43.774 ccw(c89.964,43.774) 89.995,43.175 90.528,43.202 ccw(c90.497,43.801) 91.097,43.801 91.097,44.33 ccw(c90.497,44.33) 90.466,44.93 89.933,44.902 ccw(c89.964,44.303) 89.364,44.303 89.364,43.774 ; 104.264,87.099 ccw(c104.864,87.099) 104.895,86.5 105.428,86.528 ccw(c105.397,87.127) 105.997,87.127 105.997,87.656 ccw(c105.397,87.656) 105.56,88.233 ccw(c105.397,87.656) 105.366,88.255 104.833,88.227 ccw(c104.864,87.628) 104.264,87.628 104.264,87.099

## Other copper
Top Layer:
  pour cut-out: 61.3,79.9 56.5,75.1 56.4,75 56.4,72.3 54,69.9 52,69.9 50.7,68.6 44.8,68.6 44.7,68.5 43.1,66.9 42.1,65.8 32.2,55.9 30.9,55.9 28.3,58.5 28.3,84 43.7,84 48.7,89 70.6,89
GND:
  pour cut-out: 61.3,79.9 56.5,75.1 56.4,75 56.4,72.3 54,69.9 52,69.9 50.7,68.6 44.8,68.6 44.7,68.5 43.1,66.9 42.1,65.8 32.2,55.9 30.9,55.9 28.3,58.5 28.3,84 43.7,84 48.7,89 70.6,89
PWR:
  pour cut-out: 61.3,79.9 56.5,75.1 56.4,75 56.4,72.3 54,69.9 52,69.9 50.7,68.6 44.8,68.6 44.7,68.5 43.1,66.9 42.1,65.8 32.2,55.9 30.9,55.9 28.3,58.5 28.3,84 43.7,84 48.7,89 70.6,89
Bottom Layer:
  pour cut-out: 61.3,79.9 56.5,75.1 56.4,75 56.4,72.3 54,69.9 52,69.9 50.7,68.6 44.8,68.6 44.7,68.5 43.1,66.9 42.1,65.8 32.2,55.9 30.9,55.9 28.3,58.5 28.3,84 43.7,84 48.7,89 70.6,89
  pour cut-out: 104.21,87.057 104.21,87.586 cw(c104.81,87.586) 104.779,88.185 105.312,88.213 cw(c105.343,87.614) 105.506,88.191 cw(c105.343,87.614) 105.943,87.614 105.943,87.085 cw(c105.343,87.085) 105.374,86.486 104.841,86.458 cw(c104.81,87.057)

## Silkscreen, mask and mechanical layers (free items; w line width, h text height)
Bottom Overlay:
  text "3.3V" at 85.5,84.9 h1.2
  text "GND" at 85.1,81.3 h1.2
  text "SWDIO" at 83,71.9 h1.2 r270
  text "HELMET MCU" at 48.7,57.7 h2.5
  text "SWCLK" at 83.2,55.4 h1.2 r270
  text "R" at 72.7,49.3 h1.2
  text "G" at 76,49.3 h1.2
  text "B" at 79.2,49.3 h1.2
Bottom Solder:
  text "Rev 2.1" at 97,46.9 h3
Mechanical 4:
  drawing of 726 lines, arcs and shapes, not listed
Mechanical 9:
  lines w0.3: 67.218,83.296 ccw(c67.818,83.296) 67.849,82.697 68.382,82.724 ccw(c68.351,83.323) 68.951,83.323 68.951,83.852 ccw(c68.351,83.852) 68.32,84.452 67.787,84.424 ccw(c67.818,83.825) 67.218,83.825 67.218,83.296 ; 89.31,43.732 ccw(c89.91,43.732) 89.941,43.133 90.474,43.16 ccw(c90.443,43.759) 91.043,43.759 91.043,44.288 ccw(c90.443,44.288) 90.412,44.888 89.879,44.86 ccw(c89.91,44.261) 89.31,44.261 89.31,43.732 ; 104.21,87.057 ccw(c104.81,87.057) 104.841,86.458 105.374,86.486 ccw(c105.343,87.085) 105.943,87.085 105.943,87.614 ccw(c105.343,87.614) 105.506,88.191 ccw(c105.343,87.614) 105.312,88.213 104.779,88.185 ccw(c104.81,87.586) 104.21,87.586 104.21,87.057

## Text inside footprints (layer, text, board x,y; h text height)
C1: Bottom Overlay "+" at 69.141,76.575 h1.52 r230
C8: Bottom Overlay "+" at 95.1,76.5 h1.52 r180
C10: Bottom Overlay "+" at 98.75,86.5 h1.52 r90
NRF1: Bottom Overlay "3.3V" at 70.674,68.514 h0.8 r320; Bottom Overlay "GND" at 69.374,68.014 h0.8 r320; Bottom Overlay "CE" at 67.974,67.614 h0.8 r320; Bottom Overlay "CSN" at 67.674,66.014 h0.8 r320; Bottom Overlay "SCK" at 66.874,65.114 h0.8 r320; Bottom Overlay "MOSI" at 66.474,63.814 h0.8 r320; Bottom Overlay "MISO" at 65.774,62.814 h0.8 r320; Bottom Overlay "IRQ" at 64.274,62.314 h0.8 r320